# Allegro board 6089-103-RevA_73.brd (continued)
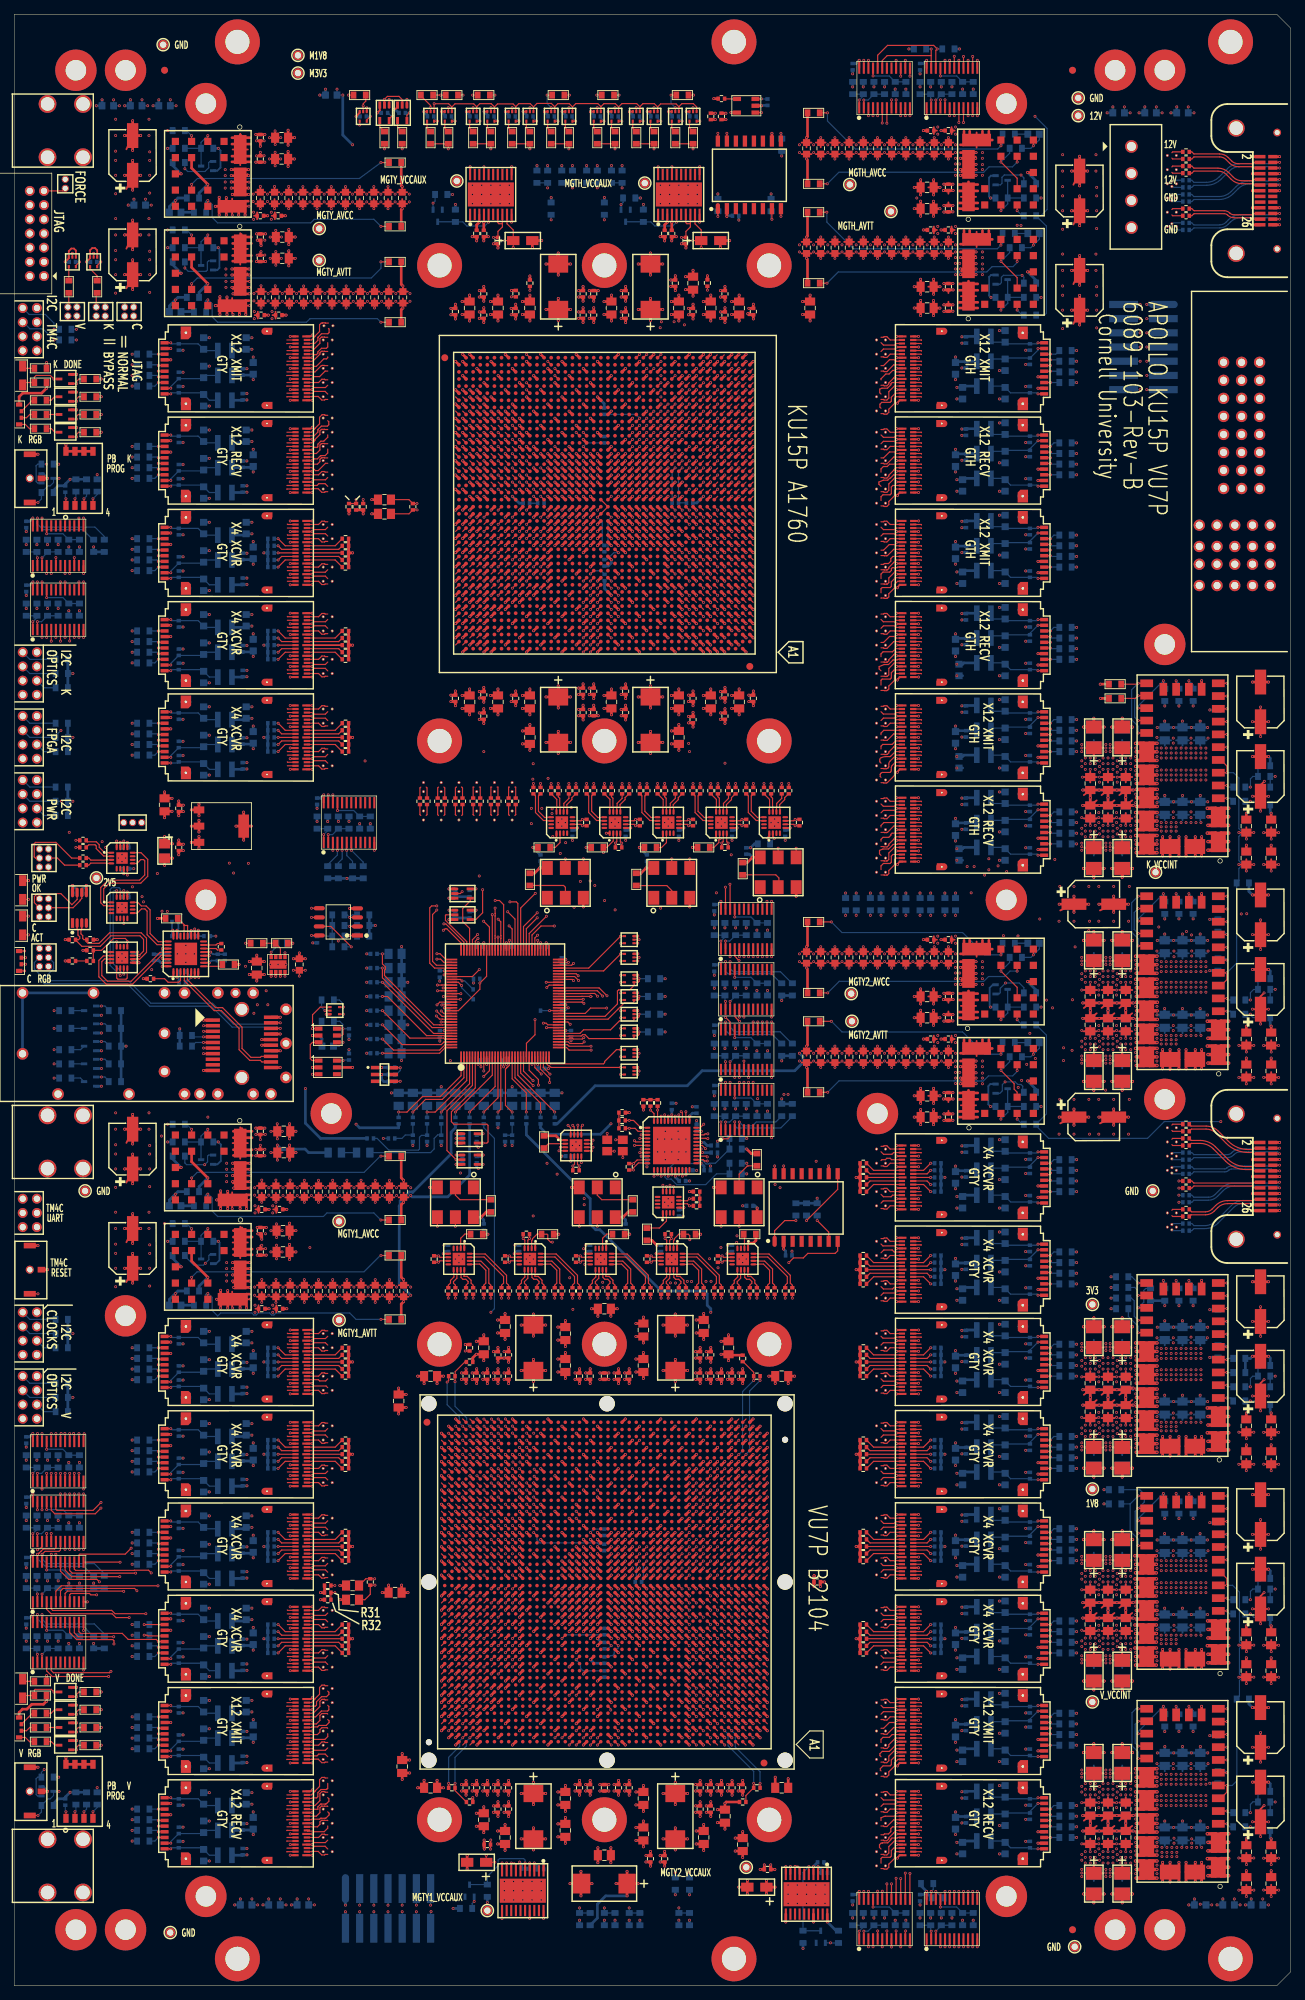
[diagram p0: board, top side]
## Routing (per net, layer and track width the routed paths; a pad name or vN(x,y) marks a point on that pad's centre or on a via; arc(x,y) is an arc through that point) (continued)
45.35,233.71 ; 44.94,233.9 44.94,234.28 ; 44.94,233.9 45.35,234.09 ; 44.94,233.9 44.94,233.52 ; 44.94,233.9 45.32,233.9 ; 44.94,233.9 45.26,233.58 ; 44.94,233.9 45.12,234.31 ; 141.47,54.62 U115.G2 ; U115.G2 141.47,53.18 ; U115.G2 142.19,54.84 ; U115.G2 142.19,52.96 ; U115.G2 141.79,52.97 ; U115.G2 142.91,54.62 ; U115.G2 141.25,53.9 ; U115.G2 142.91,53.18 ; 141.25,79.9 U113.G2 ; U113.G2 142.19,78.96 ; U113.G2 141.79,78.97 ; U113.G2 142.91,80.62 ; U113.G2 142.19,80.84 ; U113.G2 141.47,80.62 ; U113.G2 142.91,79.18 ; U113.G2 141.47,79.18 ; 43.24,32.22 43.56,31.9 ; 43.56,31.9 43.18,31.9 ; 43.56,31.9 43.56,31.52 ; 43.56,31.9 43.15,32.09 ; 43.56,31.9 43.24,31.58 ; 43.56,31.9 43.38,31.49 ; 43.56,31.9 43.56,32.28 ; 43.56,31.9 43.15,31.71 ; 3.53,250.23 J1.11 ; J1.11 4.87,251.57 ; J1.11 3.53,251.57 ; J1.11 3.32,250.9 ; J1.11 4.87,250.23 ; J1.11 5.08,250.9 ; J1.11 4.2,250.02 ; J1.11 4.2,251.78 ; J4.7 1.87,172.23 ; J4.7 1.58,173.77 ; J4.7 1.87,173.57 ; J4.7 2.08,172.9 ; J4.7 1.2,172.02 ; J4.7 2.07,172.52 ; J4.7 1.2,173.78 ; J4.7 2.07,173.28 ; 163.84,257.9 164.25,257.71 ; 163.84,257.9 164.25,258.09 ; 163.84,257.9 164.16,257.58 ; 163.84,257.9 164.16,258.22 ; 163.84,257.9 163.84,258.28 ; 163.84,257.9 163.84,257.52 ; 163.84,257.9 164.22,257.9 ; 163.84,257.9 164.02,258.31 ; VA127.3 123.16,35.58 ; VA127.3 123.25,36.09 ; VA127.3 123.02,36.31 ; VA127.3 123.22,35.9 ; VA127.3 123.25,35.71 ; VA127.3 122.83,36.28 ; VA127.3 123.16,36.22 ; VA127.3 122.83,35.52 ; VA125.3 123.22,39.9 ; VA125.3 123.25,40.09 ; VA125.3 123.16,40.22 ; VA125.3 123.25,39.71 ; VA125.3 123.16,39.58 ; VA125.3 123.02,40.31 ; VA125.3 122.83,40.28 ; VA125.3 122.83,39.52 ; VA85.3 123.25,188.71 ; VA85.3 123.02,189.31 ; VA85.3 123.16,189.22 ; VA85.3 123.16,188.58 ; VA85.3 123.25,189.09 ; VA85.3 122.83,188.52 ; VA85.3 122.83,189.28 ; VA85.3 123.22,188.9 ; 121.15,206.09 VA77.4 ; VA77.4 121.18,205.9 ; VA77.4 121.24,205.58 ; VA77.4 121.24,206.22 ; VA77.4 121.38,205.49 ; VA77.4 121.15,205.71 ; VA77.4 121.56,206.28 ; VA77.4 121.56,205.52 ; VA52.3 43.66,234.28 ; VA52.3 43.34,234.22 ; VA52.3 43.48,233.49 ; VA52.3 43.25,233.71 ; VA52.3 43.34,233.58 ; VA52.3 43.25,234.09 ; VA52.3 43.28,233.9 ; VA52.3 43.66,233.52 ; 2.53,163.23 J5.8 ; J5.8 2.53,164.57 ; J5.8 2.32,163.9 ; J5.8 3.87,163.23 ; J5.8 3.2,164.78 ; J5.8 3.87,164.57 ; J5.8 4.08,163.9 ; J5.8 3.2,163.02 ; 141.79,94.97 U111.G1 ; U111.G1 142.91,95.18 ; U111.G1 141.25,95.9 ; U111.G1 141.47,95.18 ; U111.G1 141.47,96.62 ; U111.G1 142.91,96.62 ; U111.G1 142.19,94.96 ; U111.G1 142.19,96.84 ; VA81.3 123.16,197.58 ; VA81.3 122.83,198.28 ; VA81.3 123.02,198.31 ; VA81.3 123.16,198.22 ; VA81.3 123.22,197.9 ; VA81.3 123.25,197.71 ; VA81.3 122.83,197.52 ; VA81.3 123.25,198.09 ; U109.G2 142.19,168.84 ; U109.G2 141.47,168.62 ; U109.G2 141.25,167.9 ; U109.G2 142.19,166.96 ; U109.G2 141.79,166.97 ; U109.G2 141.47,167.18 ; U109.G2 142.91,168.62 ; U109.G2 142.91,167.18 ; 121.15,109.71 VA104.4 ; VA104.4 121.24,110.22 ; VA104.4 121.56,109.52 ; VA104.4 121.56,110.28 ; VA104.4 121.38,109.49 ; VA104.4 121.15,110.09 ; VA104.4 121.24,109.58 ; VA104.4 121.18,109.9 ; 141.79,169.97 U108.G1 ; U108.G1 142.91,170.18 ; U108.G1 141.47,170.18 ; U108.G1 142.19,171.84 ; U108.G1 142.19,169.96 ; U108.G1 141.47,171.62 ; U108.G1 141.25,170.9 ; U108.G1 142.91,171.62 ; 122.83,33.52 VA128.3 ; VA128.3 123.25,34.09 ; VA128.3 123.25,33.71 ; VA128.3 123.22,33.9 ; VA128.3 123.16,34.22 ; VA128.3 122.83,34.28 ; VA128.3 123.02,34.31 ; VA128.3 123.16,33.58 ; 121.38,164.49 VA96.4 ; VA96.4 121.15,165.09 ; VA96.4 121.56,165.28 ; VA96.4 121.24,165.22 ; VA96.4 121.56,164.52 ; VA96.4 121.24,164.58 ; VA96.4 121.15,164.71 ; VA96.4 121.18,164.9 ; VA70.3 122.83,222.28 ; VA70.3 123.16,222.22 ; VA70.3 123.02,222.31 ; VA70.3 123.25,221.71 ; VA70.3 123.22,221.9 ; VA70.3 122.83,221.52 ; VA70.3 123.16,221.58 ; VA70.3 123.25,222.09 ; 20.32,134.21 U13.36 ; U13.36 20.52,134.88 ; U13.36 22.07,134.21 ; U13.36 21.86,134.88 ; U13.36 20.52,133.54 ; U13.36 21.19,135.09 ; U13.36 21.86,133.54 ; U13.36 21.19,133.33 ; VA41.4 45.16,39.58 ; VA41.4 45.02,40.31 ; VA41.4 45.25,39.71 ; VA41.4 44.84,40.28 ; VA41.4 45.16,40.22 ; VA41.4 44.84,39.52 ; VA41.4 45.22,39.9 ; VA41.4 45.25,40.09 ; 1.2,88.02 J7.7 ; J7.7 1.2,89.78 ; J7.7 1.87,89.57 ; J7.7 2.07,89.28 ; J7.7 2.07,88.52 ; J7.7 1.58,89.77 ; J7.7 1.87,88.23 ; J7.7 2.08,88.9 ; VA69.3 123.25,223.71 ; VA69.3 123.02,224.31 ; VA69.3 122.83,224.28 ; VA69.3 122.83,223.52 ; VA69.3 123.16,223.58 ; VA69.3 123.22,223.9 ; VA69.3 123.16,224.22 ; VA69.3 123.25,224.09 ; 121.24,60.22 VA119.4 ; VA119.4 121.15,59.71 ; VA119.4 121.24,59.58 ; VA119.4 121.56,60.28 ; VA119.4 121.18,59.9 ; VA119.4 121.56,59.52 ; VA119.4 121.38,59.49 ; VA119.4 121.15,60.09 ; 24.21,78.96 U26.G1 ; U26.G1 23.49,80.62 ; U26.G1 24.93,80.62 ; U26.G1 24.93,79.18 ; U26.G1 24.21,80.84 ; U26.G1 23.49,79.18 ; U26.G1 25.15,79.9 ; U26.G1 23.81,78.97 ; 23.81,218.97 U21.G1 ; U21.G1 24.93,220.62 ; U21.G1 24.21,218.96 ; U21.G1 24.93,219.18 ; U21.G1 23.49,220.62 ; U21.G1 25.15,219.9 ; U21.G1 23.49,219.18 ; U21.G1 24.21,220.84 ; 121.24,52.58 VA121.3 ; VA121.3 121.18,52.9 ; VA121.3 121.56,53.28 ; VA121.3 121.38,52.49 ; VA121.3 121.24,53.22 ; VA121.3 121.15,52.71 ; VA121.3 121.15,53.09 ; VA121.3 121.56,52.52 ; VA104.3 123.25,109.71 ; VA104.3 122.83,109.52 ; VA104.3 122.83,110.28 ; VA104.3 123.02,110.31 ; VA104.3 123.16,109.58 ; VA104.3 123.25,110.09 ; VA104.3 123.16,110.22 ; VA104.3 123.22,109.9 ; VA87.3 123.25,185.09 ; VA87.3 123.22,184.9 ; VA87.3 123.16,184.58 ; VA87.3 122.83,184.52 ; VA87.3 123.02,185.31 ; VA87.3 123.16,185.22 ; VA87.3 122.83,185.28 ; VA87.3 123.25,184.71 ; 163.84,108.52 163.84,108.9 ; 163.84,108.9 164.16,109.22 ; 163.84,108.9 164.02,109.31 ; 163.84,108.9 164.25,109.09 ; 163.84,108.9 163.84,109.28 ; 163.84,108.9 164.16,108.58 ; 163.84,108.9 164.22,108.9 ; 163.84,108.9 164.25,108.71 ; 43.56,89.52 43.56,89.9 ; 43.56,89.9 43.18,89.9 ; 43.56,89.9 43.24,89.58 ; 43.56,89.9 43.15,89.71 ; 43.56,89.9 43.15,90.09 ; 43.56,89.9 43.38,89.49 ; 43.56,89.9 43.56,90.28 ; 43.56,89.9 43.24,90.22 ; VA51.4 45.16,19.22 ; VA51.4 45.16,18.58 ; VA51.4 45.25,18.71 ; VA51.4 45.22,18.9 ; VA51.4 45.25,19.09 ; VA51.4 45.02,19.31 ; VA51.4 44.84,19.28 ; VA51.4 44.84,18.52 ; U28.G2 24.93,43.18 ; U28.G2 23.49,43.18 ; U28.G2 25.15,43.9 ; U28.G2 23.81,42.97 ; U28.G2 23.49,44.62 ; U28.G2 24.93,44.62 ; U28.G2 24.21,42.96 ; U28.G2 24.21,44.84 ; 162.24,121.22 VA143.4 ; VA143.4 162.56,121.28 ; VA143.4 162.15,120.71 ; VA143.4 162.18,120.9 ; VA143.4 162.24,120.58 ; VA143.4 162.15,121.09 ; VA143.4 162.56,120.52 ; VA143.4 162.38,120.49 ; VA115.3 123.02,73.31 ; VA115.3 122.83,73.28 ; VA115.3 123.25,73.09 ; VA115.3 123.16,72.58 ; VA115.3 123.16,73.22 ; VA115.3 123.25,72.71 ; VA115.3 123.22,72.9 ; VA115.3 122.83,72.52 ; 43.56,190.9 43.56,191.28 ; 43.56,190.9 43.24,190.58 ; 43.56,190.9 43.56,190.52 ; 43.56,190.9 43.15,191.09 ; 43.56,190.9 43.18,190.9 ; 43.56,190.9 43.15,190.71 ; 43.56,190.9 43.24,191.22 ; 43.56,190.9 43.38,190.49 ; VA74.3 123.16,213.22 ; VA74.3 123.25,212.71 ; VA74.3 123.22,212.9 ; VA74.3 123.16,212.58 ; VA74.3 122.83,213.28 ; VA74.3 123.25,213.09 ; VA74.3 122.83,212.52 ; VA74.3 123.02,213.31 ; VA40.4 45.02,42.31 ; VA40.4 45.22,41.9 ; VA40.4 45.16,42.22 ; VA40.4 45.25,42.09 ; VA40.4 45.25,41.71 ; VA40.4 45.16,41.58 ; VA40.4 44.84,41.52 ; VA40.4 44.84,42.28 ; 2.32,79.9 J8.8 ; J8.8 2.53,80.57 ; J8.8 3.87,80.57 ; J8.8 3.2,79.02 ; J8.8 3.2,80.78 ; J8.8 4.08,79.9 ; J8.8 2.53,79.23 ; J8.8 3.87,79.23 ; VA119.3 123.22,59.9 ; VA119.3 123.16,60.22 ; VA119.3 123.16,59.58 ; VA119.3 122.83,60.28 ; VA119.3 123.02,60.31 ; VA119.3 123.25,60.09 ; VA119.3 122.83,59.52 ; VA119.3 123.25,59.71 ; 43.15,223.71 43.56,223.9 ; 43.56,223.9 43.38,223.49 ; 43.56,223.9 43.15,224.09 ; 43.56,223.9 43.24,224.22 ; 43.56,223.9 43.18,223.9 ; 43.56,223.9 43.56,224.28 ; 43.56,223.9 43.24,223.58 ; 43.56,223.9 43.56,223.52 ; 121.56,156.52 VA100.4 ; VA100.4 121.38,156.49 ; VA100.4 121.56,157.28 ; VA100.4 121.15,157.09 ; VA100.4 121.24,156.58 ; VA100.4 121.18,156.9 ; VA100.4 121.15,156.71 ; VA100.4 121.24,157.22 ; VA83.3 122.83,193.28 ; VA83.3 123.25,192.71 ; VA83.3 123.22,192.9 ; VA83.3 123.02,193.31 ; VA83.3 123.16,192.58 ; VA83.3 123.16,193.22 ; VA83.3 123.25,193.09 ; VA83.3 122.83,192.52 ; 121.15,51.09 VA122.3 ; VA122.3 121.24,50.58 ; VA122.3 121.38,50.49 ; VA122.3 121.15,50.71 ; VA122.3 121.56,50.52 ; VA122.3 121.56,51.28 ; VA122.3 121.24,51.22 ; VA122.3 121.18,50.9 ; VA50.4 45.02,21.31 ; VA50.4 44.84,21.28 ; VA50.4 44.84,20.52 ; VA50.4 45.16,20.58 ; VA50.4 45.22,20.9 ; VA50.4 45.25,20.71 ; VA50.4 45.16,21.22 ; VA50.4 45.25,21.09 ; VA34.3 45.25,60.09 ; VA34.3 44.84,60.28 ; VA34.3 44.84,59.52 ; VA34.3 45.22,59.9 ; VA34.3 45.25,59.71 ; VA34.3 45.02,60.31 ; VA34.3 45.16,60.22 ; VA34.3 45.16,59.58 ; VA97.3 123.25,162.71 ; VA97.3 123.22,162.9 ; VA97.3 123.25,163.09 ; VA97.3 122.83,163.28 ; VA97.3 123.16,162.58 ; VA97.3 123.16,163.22 ; VA97.3 122.83,162.52 ; VA97.3 123.02,163.31 ; 14.74,163.9 J16.1 ; J16.1 15.43,164.59 ; J16.1 15.43,163.21 ; J16.1 14.89,163.36 ; J16.1 15.97,164.44 ; J16.1 15.13,163.21 ; J16.1 15.97,163.36 ; J16.1 14.89,164.44 ; VA73.3 123.22,214.9 ; VA73.3 123.16,214.58 ; VA73.3 122.83,214.52 ; VA73.3 123.02,215.31 ; VA73.3 123.25,214.71 ; VA73.3 122.83,215.28 ; VA73.3 123.25,215.09 ; VA73.3 123.16,215.22 ; VA48.4 45.02,25.31 ; VA48.4 45.16,24.58 ; VA48.4 44.84,25.28 ; VA48.4 45.22,24.9 ; VA48.4 45.25,24.71 ; VA48.4 44.84,24.52 ; VA48.4 45.16,25.22 ; VA48.4 45.25,25.09 ; VA113.4 123.25,78.71 ; VA113.4 122.83,79.28 ; VA113.4 122.83,78.52 ; VA113.4 123.25,79.09 ; VA113.4 123.22,78.9 ; VA113.4 123.16,78.58 ; VA113.4 123.16,79.22 ; VA113.4 123.02,79.31 ; 43.56,91.52 43.56,91.9 ; 43.56,91.9 43.56,92.28 ; 43.56,91.9 43.24,92.22 ; 43.56,91.9 43.15,91.71 ; 43.56,91.9 43.38,91.49 ; 43.56,91.9 43.15,92.09 ; 43.56,91.9 43.24,91.58 ; 43.56,91.9 43.18,91.9 ; 65.2,164.26 65.52,163.94 ; 65.2,164.26 64.79,164.08 ; 65.2,164.26 65.58,164.26 ; 65.2,164.26 65.61,164.08 ; 65.2,164.26 64.82,164.26 ; 65.2,164.26 65.2,163.88 ; 65.2,164.26 65.01,163.85 ; 65.2,164.26 64.88,163.94 ; VA101.4 123.02,118.31 ; VA101.4 123.25,118.09 ; VA101.4 122.83,118.28 ; VA101.4 123.16,117.58 ; VA101.4 122.83,117.52 ; VA101.4 123.25,117.71 ; VA101.4 123.22,117.9 ; VA101.4 123.16,118.22 ; 23.49,206.18 U22.G1 ; U22.G1 25.15,206.9 ; U22.G1 23.81,205.97 ; U22.G1 24.21,207.84 ; U22.G1 24.21,205.96 ; U22.G1 23.49,207.62 ; U22.G1 24.93,206.18 ; U22.G1 24.93,207.62 ; VA132.3 123.22,24.9 ; VA132.3 123.02,25.31 ; VA132.3 122.83,24.52 ; VA132.3 123.16,25.22 ; VA132.3 123.25,24.71 ; VA132.3 123.16,24.58 ; VA132.3 122.83,25.28 ; VA132.3 123.25,25.09 ; VA68.3 123.25,226.09 ; VA68.3 123.02,226.31 ; VA68.3 123.22,225.9 ; VA68.3 123.16,226.22 ; VA68.3 123.25,225.71 ; VA68.3 123.16,225.58 ; VA68.3 122.83,226.28 ; VA68.3 122.83,225.52 ; 43.38,184.49 43.56,184.9 ; 43.56,184.9 43.15,185.09 ; 43.56,184.9 43.24,184.58 ; 43.56,184.9 43.56,184.52 ; 43.56,184.9 43.56,185.28 ; 43.56,184.9 43.18,184.9 ; 43.56,184.9 43.24,185.22 ; 43.56,184.9 43.15,184.71 ; 167.07,204.82 P1.P2-10 ; P1.P2-10 166.09,205.8 ; P1.P2-10 167.81,206.54 ; P1.P2-10 167.07,206.78 ; P1.P2-10 166.33,205.06 ; P1.P2-10 168.05,205.8 ; P1.P2-10 167.81,205.06 ; P1.P2-10 166.33,206.54 ; 156.69,248.54 157.5,247.74 ; 157.5,247.74 157.5,248.8 ; 157.5,247.74 158.31,246.93 ; 157.5,247.74 158.31,248.54 ; 157.5,247.74 157.5,246.67 ; 157.5,247.74 158.57,247.74 ; 157.5,247.74 156.43,247.74 ; 157.5,247.74 156.69,246.93 ; U104.G1 142.19,223.84 ; U104.G1 141.47,222.18 ; U104.G1 141.47,223.62 ; U104.G1 142.91,223.62 ; U104.G1 142.19,221.96 ; U104.G1 141.79,221.97 ; U104.G1 142.91,222.18 ; U104.G1 141.25,222.9 ; 121.15,196.09 VA82.4 ; VA82.4 121.18,195.9 ; VA82.4 121.56,196.28 ; VA82.4 121.24,195.58 ; VA82.4 121.15,195.71 ; VA82.4 121.38,195.49 ; VA82.4 121.24,196.22 ; VA82.4 121.56,195.52 ; 121.15,188.71 VA85.4 ; VA85.4 121.56,188.52 ; VA85.4 121.18,188.9 ; VA85.4 121.56,189.28 ; VA85.4 121.24,188.58 ; VA85.4 121.24,189.22 ; VA85.4 121.38,188.49 ; VA85.4 121.15,189.09 ; VA6.4 45.22,220.9 ; VA6.4 45.16,221.22 ; VA6.4 44.84,220.52 ; VA6.4 45.25,220.71 ; VA6.4 44.84,221.28 ; VA6.4 45.02,221.31 ; VA6.4 45.25,221.09 ; VA6.4 45.16,220.58 ; 121.56,115.52 VA102.3 ; VA102.3 121.15,115.71 ; VA102.3 121.24,116.22 ; VA102.3 121.38,115.49 ; VA102.3 121.24,115.58 ; VA102.3 121.56,116.28 ; VA102.3 121.15,116.09 ; VA102.3 121.18,115.9 ; 163.84,120.9 164.25,120.71 ; 163.84,120.9 163.84,120.52 ; 163.84,120.9 164.25,121.09 ; 163.84,120.9 164.16,120.58 ; 163.84,120.9 164.02,121.31 ; 163.84,120.9 164.16,121.22 ; 163.84,120.9 163.84,121.28 ; 163.84,120.9 164.22,120.9 ; 57.32,165.53 VA54.4 ; VA54.4 57.89,165.95 ; VA54.4 57.29,165.72 ; VA54.4 58.11,165.72 ; VA54.4 58.02,165.86 ; VA54.4 57.38,165.86 ; VA54.4 57.7,165.92 ; VA54.4 58.08,165.53 ; 2.32,230.4 J2.8 ; J2.8 3.2,231.28 ; J2.8 3.87,231.07 ; J2.8 3.2,229.52 ; J2.8 2.53,229.73 ; J2.8 4.08,230.4 ; J2.8 3.87,229.73 ; J2.8 2.53,231.07 ; 27.95,124.89 U13.28 ; U13.28 27.95,126.41 ; U13.28 28.71,124.65 ; U13.28 29.47,124.89 ; U13.28 29.47,126.41 ; U13.28 28.71,126.65 ; U13.28 27.71,125.65 ; U13.28 29.71,125.65 ; 43.15,232.09 43.56,231.9 ; 43.56,231.9 43.24,231.58 ; 43.56,231.9 43.38,231.49 ; 43.56,231.9 43.15,231.71 ; 43.56,231.9 43.56,231.52 ; 43.56,231.9 43.24,232.22 ; 43.56,231.9 43.56,232.28 ; 43.56,231.9 43.18,231.9 ; 44.84,186.52 VA18.3 ; VA18.3 45.25,187.09 ; VA18.3 45.16,186.58 ; VA18.3 45.02,187.31 ; VA18.3 45.25,186.71 ; VA18.3 44.84,187.28 ; VA18.3 45.22,186.9 ; VA18.3 45.16,187.22 ; U117.G2 142.91,28.62 ; U117.G2 141.47,28.62 ; U117.G2 142.91,27.18 ; U117.G2 142.19,26.96 ; U117.G2 141.25,27.9 ; U117.G2 141.79,26.97 ; U117.G2 142.19,28.84 ; U117.G2 141.47,27.18 ; VA98.3 122.83,161.28 ; VA98.3 123.25,161.09 ; VA98.3 123.16,161.22 ; VA98.3 123.22,160.9 ; VA98.3 122.83,160.52 ; VA98.3 123.02,161.31 ; VA98.3 123.16,160.58 ; VA98.3 123.25,160.71 ; VA82.3 122.83,196.28 ; VA82.3 123.02,196.31 ; VA82.3 123.16,196.22 ; VA82.3 123.16,195.58 ; VA82.3 122.83,195.52 ; VA82.3 123.25,195.71 ; VA82.3 123.25,196.09 ; VA82.3 123.22,195.9 ; VA105.4 123.25,104.71 ; VA105.4 123.22,104.9 ; VA105.4 122.83,105.28 ; VA105.4 123.25,105.09 ; VA105.4 123.02,105.31 ; VA105.4 123.16,104.58 ; VA105.4 122.83,104.52 ; VA105.4 123.16,105.22 ; P1.13 174.01,221.13 ; P1.13 172.29,220.39 ; P1.13 173.77,221.87 ; P1.13 173.77,220.39 ; P1.13 173.03,222.11 ; P1.13 172.29,221.87 ; P1.13 173.03,220.15 ; P1.13 172.05,221.13 ; VA30.3 45.25,72.71 ; VA30.3 45.16,73.22 ; VA30.3 45.25,73.09 ; VA30.3 44.84,72.52 ; VA30.3 45.22,72.9 ; VA30.3 44.84,73.28 ; VA30.3 45.02,73.31 ; VA30.3 45.16,72.58 ; VA115.4 121.56,73.28 ; VA115.4 121.24,73.22 ; VA115.4 121.24,72.58 ; VA115.4 121.56,72.52 ; VA115.4 121.18,72.9 ; VA115.4 121.38,72.49 ; VA115.4 121.15,73.09 ; VA115.4 121.15,72.71 ; VA24.4 45.16,91.58 ; VA24.4 45.25,91.71 ; VA24.4 45.25,92.09 ; VA24.4 44.84,92.28 ; VA24.4 44.84,91.52 ; VA24.4 45.02,92.31 ; VA24.4 45.16,92.22 ; VA24.4 45.22,91.9 ; U23.G2 24.93,183.18 ; U23.G2 24.93,184.62 ; U23.G2 24.21,182.96 ; U23.G2 23.49,183.18 ; U23.G2 24.21,184.84 ; U23.G2 23.49,184.62 ; U23.G2 23.81,182.97 ; U23.G2 25.15,183.9 ; VA131.3 123.22,26.9 ; VA131.3 123.16,27.22 ; VA131.3 123.02,27.31 ; VA131.3 123.16,26.58 ; VA131.3 122.83,27.28 ; VA131.3 123.25,26.71 ; VA131.3 123.25,27.09 ; VA131.3 122.83,26.52 ; U21.G2 24.93,210.62 ; U21.G2 24.21,210.84 ; U21.G2 24.93,209.18 ; U21.G2 25.15,209.9 ; U21.G2 23.49,210.62 ; U21.G2 24.21,208.96 ; U21.G2 23.49,209.18 ; U21.G2 23.81,208.97 ; VA96.3 123.16,165.22 ; VA96.3 122.83,164.52 ; VA96.3 123.25,165.09 ; VA96.3 123.22,164.9 ; VA96.3 123.25,164.71 ; VA96.3 123.02,165.31 ; VA96.3 122.83,165.28 ; VA96.3 123.16,164.58 ; 121.56,31.52 VA129.4 ; VA129.4 121.24,31.58 ; VA129.4 121.38,31.49 ; VA129.4 121.18,31.9 ; VA129.4 121.56,32.28 ; VA129.4 121.24,32.22 ; VA129.4 121.15,32.09 ; VA129.4 121.15,31.71 ; VA86.3 123.16,186.58 ; VA86.3 122.83,186.52 ; VA86.3 123.25,186.71 ; VA86.3 123.02,187.31 ; VA86.3 123.22,186.9 ; VA86.3 122.83,187.28 ; VA86.3 123.25,187.09 ; VA86.3 123.16,187.22 ; 43.24,85.58 43.56,85.9 ; 43.56,85.9 43.56,86.28 ; 43.56,85.9 43.15,85.71 ; 43.56,85.9 43.15,86.09 ; 43.56,85.9 43.24,86.22 ; 43.56,85.9 43.18,85.9 ; 43.56,85.9 43.56,85.52 ; 43.56,85.9 43.38,85.49 ; VA71.3 123.25,218.71 ; VA71.3 122.83,219.28 ; VA71.3 123.22,218.9 ; VA71.3 123.25,219.09 ; VA71.3 122.83,218.52 ; VA71.3 123.16,219.22 ; VA71.3 123.16,218.58 ; VA71.3 123.02,219.31 ; 60.2,164.26 60.61,164.08 ; 60.2,164.26 60.52,163.94 ; 60.2,164.26 59.88,163.94 ; 60.2,164.26 60.2,163.88 ; 60.2,164.26 59.79,164.08 ; 60.2,164.26 59.82,164.26 ; 60.2,164.26 60.58,164.26 ; 60.2,164.26 60.01,163.85 ; 43.24,50.58 43.56,50.9 ; 43.56,50.9 43.15,50.71 ; 43.56,50.9 43.56,51.28 ; 43.56,50.9 43.56,50.52 ; 43.56,50.9 43.18,50.9 ; 43.56,50.9 43.15,51.09 ; 43.56,50.9 43.24,51.22 ; 43.56,50.9 43.38,50.49 ; 121.56,160.52 VA98.4 ; VA98.4 121.24,161.22 ; VA98.4 121.56,161.28 ; VA98.4 121.18,160.9 ; VA98.4 121.38,160.49 ; VA98.4 121.15,161.09 ; VA98.4 121.15,160.71 ; VA98.4 121.24,160.58 ; VA69.4 121.56,224.28 ; VA69.4 121.38,223.49 ; VA69.4 121.18,223.9 ; VA69.4 121.24,224.22 ; VA69.4 121.56,223.52 ; VA69.4 121.24,223.58 ; VA69.4 121.15,224.09 ; VA69.4 121.15,223.71 ; 43.15,216.71 43.56,216.9 ; 43.56,216.9 43.38,216.49 ; 43.56,216.9 43.56,216.52 ; 43.56,216.9 43.24,217.22 ; 43.56,216.9 43.15,217.09 ; 43.56,216.9 43.56,217.28 ; 43.56,216.9 43.18,216.9 ; 43.56,216.9 43.24,216.58 ; 43.24,58.22 43.56,57.9 ; 43.56,57.9 43.56,58.28 ; 43.56,57.9 43.24,57.58 ; 43.56,57.9 43.15,57.71 ; 43.56,57.9 43.38,57.49 ; 43.56,57.9 43.56,57.52 ; 43.56,57.9 43.18,57.9 ; 43.56,57.9 43.15,58.09 ; 141.79,179.97 U108.G2 ; U108.G2 142.19,181.84 ; U108.G2 142.91,181.62 ; U108.G2 142.91,180.18 ; U108.G2 142.19,179.96 ; U108.G2 141.47,180.18 ; U108.G2 141.25,180.9 ; U108.G2 141.47,181.62 ; 43.56,229.9 43.56,230.28 ; 43.56,229.9 43.56,229.52 ; 43.56,229.9 43.38,229.49 ; 43.56,229.9 43.24,230.22 ; 43.56,229.9 43.18,229.9 ; 43.56,229.9 43.15,229.71 ; 43.56,229.9 43.24,229.58 ; 43.56,229.9 43.15,230.09 ; VA142.4 162.56,248.28 ; VA142.4 162.15,248.09 ; VA142.4 162.15,247.71 ; VA142.4 162.18,247.9 ; VA142.4 162.38,247.49 ; VA142.4 162.24,248.22 ; VA142.4 162.56,247.52 ; VA142.4 162.24,247.58 ; 43.15,19.09 43.56,18.9 ; 43.56,18.9 43.56,19.28 ; 43.56,18.9 43.24,19.22 ; 43.56,18.9 43.56,18.52 ; 43.56,18.9 43.24,18.58 ; 43.56,18.9 43.18,18.9 ; 43.56,18.9 43.38,18.49 ; 43.56,18.9 43.15,18.71 ; VA14.3 45.02,200.31 ; VA14.3 44.84,199.52 ; VA14.3 45.16,200.22 ; VA14.3 45.25,199.71 ; VA14.3 45.16,199.58 ; VA14.3 44.84,200.28 ; VA14.3 45.22,199.9 ; VA14.3 45.25,200.09 ; VA136.3 123.25,17.09 ; VA136.3 123.16,17.22 ; VA136.3 122.83,16.52 ; VA136.3 123.25,16.71 ; VA136.3 123.16,16.58 ; VA136.3 122.83,17.28 ; VA136.3 123.02,17.31 ; VA136.3 123.22,16.9 ; 69.79,169.72 VA63.4 ; VA63.4 70.58,169.53 ; VA63.4 70.39,169.95 ; VA63.4 69.82,169.53 ; VA63.4 70.52,169.86 ; VA63.4 69.88,169.86 ; VA63.4 70.2,169.92 ; VA63.4 70.61,169.72 ; VA28.4 45.25,78.71 ; VA28.4 45.22,78.9 ; VA28.4 44.84,78.52 ; VA28.4 45.16,78.58 ; VA28.4 45.16,79.22 ; VA28.4 45.02,79.31 ; VA28.4 45.25,79.09 ; VA28.4 44.84,79.28 ; U112.G1 142.19,83.84 ; U112.G1 141.25,82.9 ; U112.G1 141.47,83.62 ; U112.G1 141.79,81.97 ; U112.G1 142.19,81.96 ; U112.G1 141.47,82.18 ; U112.G1 142.91,82.18 ; U112.G1 142.91,83.62 ; VA120.3 123.16,57.58 ; VA120.3 122.83,58.28 ; VA120.3 123.25,57.71 ; VA120.3 123.25,58.09 ; VA120.3 123.16,58.22 ; VA120.3 123.22,57.9 ; VA120.3 123.02,58.31 ; VA120.3 122.83,57.52 ; 159.83,112.67 PM24.1 ; PM24.1 161.17,111.33 ; PM24.1 160.5,112.88 ; PM24.1 161.17,112.67 ; PM24.1 159.62,112 ; PM24.1 161.38,112 ; PM24.1 160.5,111.12 ; PM24.1 159.83,111.33 ; 69.88,163.94 70.2,164.26 ; 70.2,164.26 70.52,163.94 ; 70.2,164.26 70.58,164.26 ; 70.2,164.26 69.79,164.08 ; 70.2,164.26 70.01,163.85 ; 70.2,164.26 70.2,163.88 ; 70.2,164.26 70.61,164.08 ; 70.2,164.26 69.82,164.26 ; VA91.3 123.16,175.58 ; VA91.3 123.25,176.09 ; VA91.3 123.02,176.31 ; VA91.3 123.16,176.22 ; VA91.3 123.25,175.71 ; VA91.3 122.83,176.28 ; VA91.3 122.83,175.52 ; VA91.3 123.22,175.9 ; U27.G1 24.93,67.62 ; U27.G1 25.15,66.9 ; U27.G1 24.21,65.96 